# Altium PCB ZYNQ_JTY_16CH.PcbDoc (part 1 of 4) (continued)
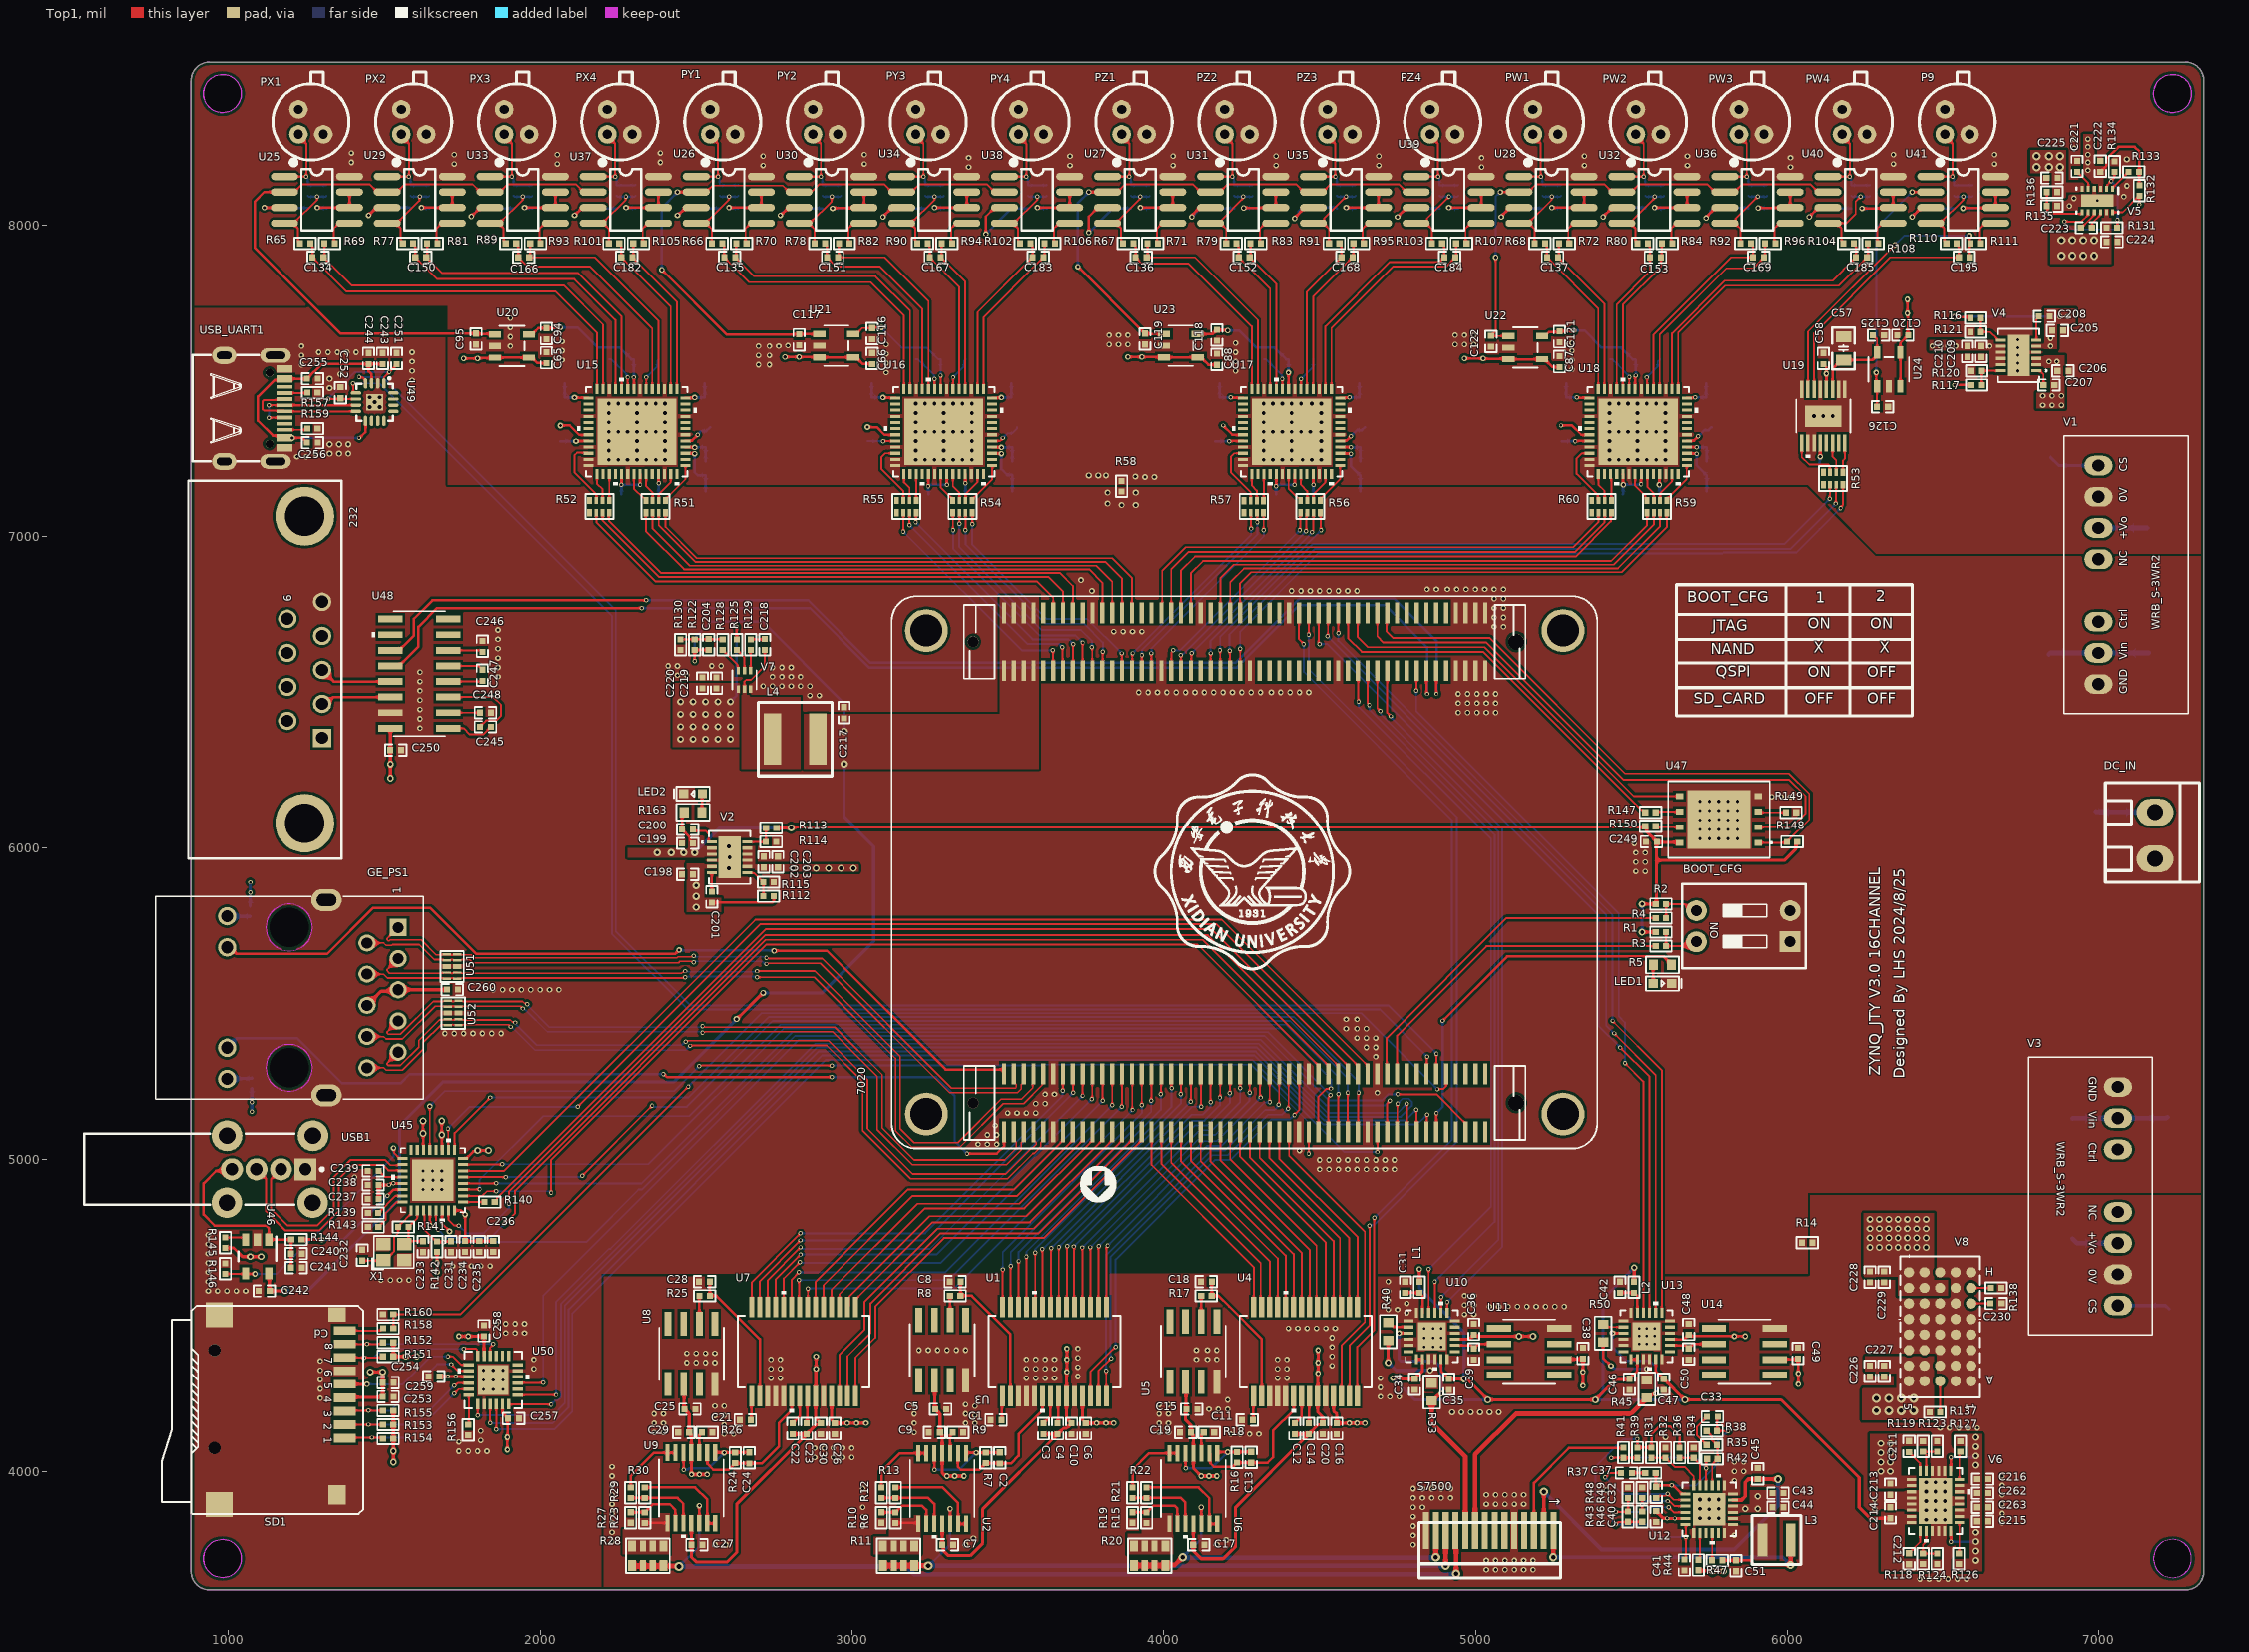
[diagram p0: Top1 view]
## Components (designator, comment, footprint, x,y, rotation, side; value= is the part's Value field where it differs from the comment) (continued)
C226 "22u" C0402_L 6265,4322.28 r270 top
C227 "104" C0402_L 6310,4322.28 r270 top
C228 "4.7u" C0402_L 6265,4625 r270 top
C229 "104" C0402_L 6310,4625 r270 top
C230 "22u" C0402_L 6670,4540 r0 top
C231 "10u" C0402_L 1715,4722.28 r90 top
C232 "18P" C0402_L 1430,4695 r270 top
C233 "18P" C0402_L 1625,4722.28 r90 top
C234 "104" C0402_L 1760,4722.72 r90 top
C235 "104" C0402_L 1805,4722.72 r90 top
C236 "104" C0402_L 1850,4722.72 r90 top
C237 "104" C0402_L 1464.87,4875 r0 top
C238 "2.2u" C0402_L 1464.87,4920 r0 top
C239 "4.7u" C0402_L 1464.87,4965 r0 top
C240 "104" C0402_L 1218.14,4700 r180 top
C241 "10u" C0402_L 1218.14,4655 r180 top
C242 "104" C0402_L 1115,4580 r0 top
C243 "104" C0402_L 1495,7570 r90 top
C244 "10u" C0402_L 1450,7570 r90 top
C245 "104" C0402_L 1825,6390 r180 top
C246 "104" C0402_L 1815,6647.72 r90 top
C247 "104" C0402_L 1815,6555 r270 top
C248 "104" C0402_L 1825,6435 r0 top
C249 "104" C0402_L 5565,6020 r0 top
C250 "104" C0402_L 1537.28,6315 r0 top
C251 "104" C0402_L 1540,7570 r270 top
C252 "104" C0402_L 1360,7460 r270 top
C253 "104" C0402_L 1513.14,4240 r0 top
C254 "10u" C0402_L 1513.14,4285 r0 top
C255 "104" C0402_L 1270,7505 r0 top
C256 "10u" C0402_L 1270,7300 r0 top
C257 "104" C0402_L 1915,4170 r0 top
C258 "104" C0402_L 1820,4452.28 r90 top
C259 "104" C0402_L 1660,4305 r180 top
C260 "104" C0402_L 1719.25,5545.31 r0 top
C261 "104" C0402_L 6990,6100 r90 bottom
C262 "3.3u" C0402_L 6627.28,3930 r180 top
C263 "3.3u" C0402_L 6627.28,3885 r180 top
DC_IN "HDR-1X2" KF128-3.81-2P 7180,6040 r270 top
E1 "47uF/16V" C_6032 7155,7145 r90 bottom
E2 "100uF/16V" C_6032 6845,7135 r270 bottom
E3 "100uF/16V" C_6032 7160,6745 r90 bottom
E4 "47uF/16V" C_6032 6840,6740 r90 bottom
E5 "47uF/16V" C_6032 6915,4630 r270 bottom
E6 "100uF/16V" C_6032 7225,4640 r90 bottom
E7 "100uF/16V" C_6032 7220,5255 r90 bottom
E8 "47uF/16V" C_6032 6915,5250 r90 bottom
E10 "10uF/16V" C_3216 7060,6050 r270 bottom
GE_PS1 "RJ45 (ATK911131A)" HR911131A 1545,5745 r270 top
L1 "120R@100MHz" FB0402 4820,4592.28 r270 top
L2 "120R@100MHz" FB0402 5509,4592.28 r270 top
L3 "1uH ±20% 2.3A XFL3012-102ME" SWPA3015 5965.28,3780 r180 top
L4 "4.7uH 4.5A" SWPA5020 2817.83,6350 r0 top
LED1 "SB色" LED0603_B 5600,5565 r0 top
LED2 "SB色" LED0603_B 2490,6175 r180 top
P9 "PD" PD 6505,8390 r90 top
PW1 "PD" PD 5185,8390 r90 top
PW2 "PD" PD 5515,8390 r90 top
PW3 "PD" PD 5845,8390 r90 top
PW4 "PD" PD 6175,8390 r90 top
PX1 "PD" PD 1225,8390 r90 top
PX2 "PD" PD 1555,8390 r90 top
PX3 "PD" PD 1885,8390 r90 top
PX4 "PD" PD 2215,8390 r90 top
PY1 "PD" PD 2545,8390 r90 top
PY2 "PD" PD 2875,8390 r90 top
PY3 "PD" PD 3205,8390 r90 top
PY4 "PD" PD 3535,8390 r90 top
PZ1 "PD" PD 3865,8390 r90 top
PZ2 "PD" PD 4195,8390 r90 top
PZ3 "PD" PD 4525,8390 r90 top
PZ4 "PD" PD 4855,8390 r90 top
R1 "1K" R0402_L 5595,5730 r180 top
R2 "1K" R0402_L 5595,5820 r180 top
R3 "20K" R0402_L 5595,5685 r180 top
R4 "20K" R0402_L 5595,5775 r180 top
R5 "510R" R0603_L 5600,5625 r180 top
R6 "200R 1%" R0402_L 3140,3851.73 r270 top
R7 "200R 1%" R0402_L 3430,4043.27 r90 top
R8 "2K 1%" R0402_L 3331.73,4565 r0 top
R9 "200R 1%" R0402_L 3340,4125 r180 top
R10 "200R 1%" R0402_L 3095,3851.99 r90 top
R11 "200R 1%" RCA-8P4R-0603 3150,3730 r0 top
R12 "200R 1%" R0402_L 3095,3931.48 r270 top
R13 "200R 1%" R0402_L 3140,3931.73 r90 top
R14 "0R" R0402_L 6063.27,4735 r180 top
R15 "200R 1%" R0402_L 3945,3851.73 r270 top
R16 "200R 1%" R0402_L 4235,4045.13 r90 top
R17 "2K 1%" R0402_L 4136.73,4565 r0 top
R18 "200R 1%" R0402_L 4145,4125 r180 top
R19 "200R 1%" R0402_L 3900,3851.99 r90 top
R20 "200R 1%" RCA-8P4R-0603 3955,3730 r0 top
R21 "200R 1%" R0402_L 3900,3931.48 r270 top
R22 "200R 1%" R0402_L 3945,3931.73 r90 top
R23 "200R 1%" R0402_L 2335,3851.73 r270 top
R24 "200R 1%" R0402_L 2625,4043.27 r90 top
R25 "2K 1%" R0402_L 2526.73,4565 r0 top
R26 "200R 1%" R0402_L 2535,4125 r180 top
R27 "200R 1%" R0402_L 2290,3851.99 r90 top
R28 "820R 1%" RCA-8P4R-0603 2345,3730 r0 top
R29 "200R 1%" R0402_L 2290,3931.48 r270 top
R30 "200R 1%" R0402_L 2335,3931.73 r90 top
R31 "20K" R0402_L 5565,4060 r270 top
R32 "20K" R0402_L 5610,4060 r270 top
R33 "2.2R" R0603_L 4860,4255 r270 top
R34 "20K" R0402_L 5700,4060 r270 top
R35 "20K" R0402_L 5758.27,4085 r0 top
R36 "20K" R0402_L 5655,4060 r270 top
R37 "100K" R0402_L 5561.73,3995 r0 top
R38 "1M" R0402_L 5758.27,4130 r180 top
R39 "18K" R0402_L 5520,4060 r270 top
R40 "2.2R" R0603_L 4720,4450 r90 top
R41 "8.2K" R0402_L 5475,4060 r270 top
R42 "82K" R0402_L 5760,4040 r0 top
R43 "200K" R0402_L 5490,3855 r270 top
R44 "10K" R0402_L 5715,3700 r90 top
R45 "2.2R" R0603_L 5550,4265 r270 top
R46 "6.8K" R0402_L 5535,3855 r270 top
R47 "50R" R0402_L 5775,3715 r180 top
R48 "43K" R0402_L 5490,3931.73 r270 top
R49 "10K" R0402_L 5535,3931.73 r270 top
R50 "2.2R" R0603_L 5410,4445 r90 top
R51 "33R" RCA-8P4R-0402 2370,7095 r180 top
R52 "33R" RCA-8P4R-0402 2190,7095 r180 top
R53 "33R" RCA-8P4R-0402 6146.5,7185.31 r180 top
R54 "33R" RCA-8P4R-0402 3355,7095 r180 top
R55 "33R" RCA-8P4R-0402 3175,7095 r180 top
R56 "33R" RCA-8P4R-0402 4470,7095 r180 top
R57 "33R" RCA-8P4R-0402 4288.5,7094.69 r180 top
R58 "0R" R0402_L 3865,7160 r270 top
R59 "33R" RCA-8P4R-0402 5582.4,7095 r180 top
R60 "33R" RCA-8P4R-0402 5405,7095 r180 top
R61 "200K 1%" R0402_L 1255,8110 r270 bottom
R62 "200K 1%" R0402_L 2575,8110 r270 bottom
R63 "200K 1%" R0402_L 3895,8110 r270 bottom
R64 "200K 1%" R0402_L 5215,8110 r270 bottom
R65 "25R 1%" R0402_L 1246.73,7940 r0 top
R66 "25R 1%" R0402_L 2566.73,7940 r0 top
R67 "25R 1%" R0402_L 3886.73,7940 r0 top
R68 "25R 1%" R0402_L 5206.73,7940 r0 top
R69 "25R 1%" R0402_L 1325,7940 r180 top
R70 "25R 1%" R0402_L 2645,7940 r180 top
R71 "25R 1%" R0402_L 3965,7940 r180 top
R72 "25R 1%" R0402_L 5285,7940 r180 top
R73 "200K 1%" R0402_L 1585,8110 r270 bottom
R74 "200K 1%" R0402_L 2905,8110 r270 bottom
R75 "200K 1%" R0402_L 4225,8110 r270 bottom
R76 "200K 1%" R0402_L 5545,8110 r270 bottom
R77 "25R 1%" R0402_L 1576.73,7940 r0 top
R78 "25R 1%" R0402_L 2896.73,7940 r0 top
R79 "25R 1%" R0402_L 4216.73,7940 r0 top
R80 "25R 1%" R0402_L 5536.73,7940 r0 top
R81 "25R 1%" R0402_L 1655,7940 r180 top
R82 "25R 1%" R0402_L 2975,7940 r180 top
R83 "25R 1%" R0402_L 4295,7940 r180 top
R84 "25R 1%" R0402_L 5615,7940 r180 top
R85 "200K 1%" R0402_L 1915,8110 r270 bottom
R86 "200K 1%" R0402_L 3235,8110 r270 bottom
R87 "200K 1%" R0402_L 4555,8110 r270 bottom
R88 "200K 1%" R0402_L 5875,8110 r270 bottom
R89 "25R 1%" R0402_L 1906.73,7940 r0 top
R90 "25R 1%" R0402_L 3226.73,7940 r0 top
R91 "25R 1%" R0402_L 4546.73,7940 r0 top
R92 "25R 1%" R0402_L 5866.73,7940 r0 top
R93 "25R 1%" R0402_L 1985,7940 r180 top
R94 "25R 1%" R0402_L 3305,7940 r180 top
R95 "25R 1%" R0402_L 4625,7940 r180 top
R96 "25R 1%" R0402_L 5945,7940 r180 top
R97 "200K 1%" R0402_L 2245,8110 r270 bottom
R98 "200K 1%" R0402_L 3565,8110 r270 bottom
R99 "200K 1%" R0402_L 4885,8110 r270 bottom
R100 "200K 1%" R0402_L 6205,8110 r270 bottom
R101 "25R 1%" R0402_L 2236.73,7940 r0 top
R102 "25R 1%" R0402_L 3556.73,7940 r0 top
R103 "25R 1%" R0402_L 4876.73,7940 r0 top
R104 "25R 1%" R0402_L 6196.73,7940 r0 top
R105 "25R 1%" R0402_L 2315,7940 r180 top
R106 "25R 1%" R0402_L 3635,7940 r180 top
R107 "25R 1%" R0402_L 4955,7940 r180 top
R108 "25R 1%" R0402_L 6275,7940 r180 top
R109 "200K 1%" R0402_L 6535,8110 r270 bottom
R110 "25R 1%" R0402_L 6526.73,7940 r0 top
R111 "25R 1%" R0402_L 6605,7940 r180 top
R112 "120K 1%" R0402_L 2732.28,5845 r0 top
R113 "422K 1%" R0402_L 2740.8,6065 r0 top
R114 "249K 1%" R0402_L 2740.55,6020 r180 top
R115 "249K 1%" R0402_L 2732.28,5890 r180 top
R116 "261K 1%" R0402_L 6604.2,7700 r180 top
R117 "422K 1%" R0402_L 6607.72,7485 r180 top
R118 "357K 1%" R0402_L 6435,3720 r270 top
R119 "619K 1%" R0402_L 6435,4080.13 r90 top
R120 "249K 1%" R0402_L 6607.72,7530 r0 top
R121 "249K 1%" R0402_L 6604.45,7655 r0 top
R122 "47K 1%" R0402_L 2495,6653.27 r270 top
R123 "200K 1%" R0402_L 6480,4079.87 r270 top
R124 "210K 1%" R0402_L 6480,3720.25 r90 top
R125 "100K" R0402_L 2630,6653.27 r270 top
R126 "1M" R0402_L 6550,3720 r270 top
R127 "1M" R0402_L 6555,4080 r90 top
R128 "40.2K 1%" R0402_L 2585,6653.27 r270 top
R129 "10R" R0402_L 2675,6653.27 r270 top
R130 "7.68K" R0402_L 2450,6653.27 r90 top
R131 "140K 1%" R0402_L 7041.73,7990 r180 top
R132 "4.7K" R0402_L 7130,8110 r90 top
R133 "10K" R0402_L 7111.73,8170 r0 top
R134 "60K 1%" R0402_L 7050,8186.73 r270 top
R135 "62K 1%" R0402_L 6850,8060 r0 top
R136 "140K 1%" R0402_L 6849.75,8105 r180 top
R137 "60.4K 1%" R0402_L 6473.27,4190 r0 top
R138 "130K 1%" R0402_L 6670,4590 r180 top
R139 "10K" R0402_L 1464.75,4830 r180 top
R140 "33R" R0402_L 1838.27,4865 r180 top
R141 "1M" R0402_L 1561.73,4785 r180 top
R142 "1.5K" R0402_L 1670,4722.16 r270 top
R143 "8K06" R0402_L 1465,4785 r0 top
R144 "1K" R0402_L 1218.27,4745 r0 top
R145 "100K" R0402_L 990,4735 r90 top
R146 "10K" R0402_L 990,4651.73 r90 top
R147 "33R" R0402_L 5561.73,6115 r180 top
R148 "4.7K" R0402_L 6015,6020 r0 top
R149 "4.7K" R0402_L 6011.73,6115 r0 top
R150 "4.7K" R0402_L 5561.73,6070 r180 top
R151 "4.7K" R0402_L 1513.01,4370 r180 top
R152 "4.7K" R0402_L 1513.01,4415 r180 top
R153 "4.7K" R0402_L 1513.01,4150 r180 top
R154 "4.7K" R0402_L 1513.01,4105 r180 top
R155 "4.7K" R0402_L 1513.01,4195 r180 top
R156 "4.7K" R0402_L 1770,4133.27 r270 top
R157 "5.1K" R0402_L 1269.87,7460 r180 top
R158 "330R" R0402_L 1513.27,4460 r0 top
R159 "5.1K" R0402_L 1269.87,7345 r180 top
R160 "10K" R0402_L 1513.01,4505 r180 top
R161 "510R" R0402_L 1070,5796.73 r90 bottom
R162 "510R" R0402_L 1075,5245 r90 bottom
R163 "510R" R0603_L 2490,6115 r0 top
S7500 "S7500" S7500-14*0.8mm 5050.51,3940.63 r0 top
SD1 "Micro SD" "Micro SD" 970.75,4504.13 r270 top
U1 "LTC1668IGTRPBF" SSOP-28_G_LIT 3650,4385 r270 top
U2 "ADA4807-4ARUZ-R7" RU-14_ADI 3290,3945 r270 top
U3 "ADR4525BRZ" R_8_ADI 3290,4390 r90 top
U4 "LTC1668IGTRPBF" SSOP-28_G_LIT 4455,4385 r270 top
U5 "ADR4525BRZ" R_8_ADI 4095,4385 r90 top
U6 "ADA4807-4ARUZ-R7" RU-14_ADI 4095,3945 r270 top
U7 "LTC1668IGTRPBF" SSOP-28_G_LIT 2845,4385 r270 top
U8 "ADR4525BRZ" R_8_ADI 2485,4378 r90 top
U9 "ADA4807-4ARUZ-R7" RU-14_ADI 2484.41,3946.7 r270 top
U10 "ADN8810ACPZ" CP_24_1_ADI 4860,4435 r0 top
U11 "ADR292ERZ" R_8_ADI 5173,4385 r180 top
U12 "ADN8834ACPZ-R2" CP_24_7_ADI 5749.53,3878.5 r0 top
U13 "ADN8810ACPZ" CP_24_1_ADI 5549,4435 r0 top
U14 "ADR292ERZ" R_8_ADI 5862,4385 r180 top
U15 "LTC2325HUKG-16PBF" UKG_52A_ADI 2310,7335 r270 top
U16 "LTC2325HUKG-16PBF" UKG_52A_ADI 3295,7335 r270 top
U17 "LTC2325HUKG-16PBF" UKG_52A_ADI 4410,7335 r270 top
U18 "LTC2325HUKG-16PBF" UKG_52A_ADI 5522.4,7335 r270 top
U19 "LTC2311HMSE-16PBF" MSE_16_ADI 6115,7385 r270 top
U20 "REF1933AIDDCT" DDC5_TEX 1910,7610 r0 top
U21 "REF1933AIDDCT" DDC5_TEX 2950,7611 r0 top
U22 "REF1933AIDDCT" DDC5_TEX 5160,7605 r0 top
U23 "REF1933AIDDCT" DDC5_TEX 4055,7611 r0 top
U24 "REF1933AIDDCT" DDC5_TEX 6325,7535 r90 top
U25 "OPA862IDR" SOIC-8 1284.49,8080 r0 top
U26 "OPA862IDR" SOIC-8 2604.49,8080 r0 top
U27 "OPA862IDR" SOIC-8 3924.49,8080 r0 top
U28 "OPA862IDR" SOIC-8 5244.49,8080 r0 top
U29 "OPA862IDR" SOIC-8 1614.49,8080 r0 top
U30 "OPA862IDR" SOIC-8 2934.49,8080 r0 top
U31 "OPA862IDR" SOIC-8 4254.49,8080 r0 top
U32 "OPA862IDR" SOIC-8 5574.49,8080 r0 top
U33 "OPA862IDR" SOIC-8 1944.49,8080 r0 top
U34 "OPA862IDR" SOIC-8 3264.49,8080 r0 top
U35 "OPA862IDR" SOIC-8 4584.49,8080 r0 top
U36 "OPA862IDR" SOIC-8 5904.49,8080 r0 top
U37 "OPA862IDR" SOIC-8 2274.49,8080 r0 top
U38 "OPA862IDR" SOIC-8 3594.49,8080 r0 top
U39 "OPA862IDR" SOIC-8 4914.49,8080 r0 top
U40 "OPA862IDR" SOIC-8 6234.49,8080 r0 top
U41 "OPA862IDR" SOIC-8 6564.49,8080 r0 top
U45 "USB3320C-EZK" QFN32_5X5MC_MCH 1656.5,4935 r180 top
U46 "TPS2051BDBVR" DBV0005A_N 1092.6,4690.87 r270 top
U47 "N25Q128A13BF840F" VDFPN8_8X6_MRN 5781,6092 r180 top
U48 "SP3232EEN-L" NSOIC-16_MXL 1613,6560 r180 top
U49 "CH343P" QFN16_3X3 1469.84,7429.91 r180 top
U50 "TXS02612RTWR" RTW24_2P45X2P45 1850,4294 r90 top
U51 "AZ1143-04F" DFN2510P10E 1700.75,5659.37 r0 top
U52 "AZ1143-04F" DFN2510P10E 1704.25,5509.68 r0 top
USB1 "USB" USB2.0_Type-A_DIP_F_3 516.77,4970 r180 top
USB_UART1 "USB TypeC" "USB Type-C" 1083.38,7410 r270 top
V1 "WRB1205S-3WR2" WRB_S-3WR2 6998.74,6876.62 r90 top
V2 "LT3024EDEPBF" DFN-12_DE_LIT 2607.28,5970 r0 top
V3 "WRB1209S-3WR2" WRB_S-3WR2 7061.26,4883.38 r270 top
V4 "LT3024EDEPBF" DFN-12_DE_LIT 6742.72,7580 r180 top
V5 "LM27762DSSR" DSS0012B 6995.47,8077.4 r270 top
V6 "LT3030HUFDPBF" QFN-28_UFD_LIT 6475,3905 r0 top
V7 "MP1476LGTF-P" SOT563_MP1476L_MNP 2655,6540 r90 top
V8 "LTM8045IYPBF" BGA-40_11P25X6P25_LIT 6490,4465 r180 top
X1 "24M" XTAL-2025-4P 1531.54,4704.41 r0 top

## Footprints (in the part's own frame and the unit in brackets; to place one, negate y for a bottom-side part, rotate by r counter-clockwise, add the part's x,y. Pads: shape width x height; smd on the part's side, far side on the other; paste and mask are expansions set on the pad)
BGA-40_11P25X6P25_LIT [mil]
  round 33 smd paste+0 mask+0: A1(-100,175) A2(-50,175) A3(0,175) A4(50,175) A5(100,175) B1(-100,125) B2(-50,125) B3(0,125) B4(50,125) B5(100,125) C1(-100,75) C2(-50,75) C3(0,75) C4(50,75) C5(100,75) D1(-100,25) D2(-50,25) D3(0,25) D4(50,25) D5(100,25) E1(-100,-25) E2(-50,-25) E3(0,-25) E4(50,-25) E5(100,-25) F1(-100,-75) F2(-50,-75) F3(0,-75) F4(50,-75) F5(100,-75) G1(-100,-125) G2(-50,-125) G3(0,-125) G4(50,-125) G5(100,-125) H1(-100,-175) H2(-50,-175) H3(0,-175) H4(50,-175) H5(100,-175)
  silkscreen extent -133,-232 133,231, body extent -123,-221 123,221, height 202
C0402_L [mm] "贴片MLCC电容"
  rect 0.5x0.5 smd: 1(-0.45,0) 2(0.45,0)
  silkscreen extent -0.87,-0.46 0.88,0.46, body extent -0.5,-0.25 0.5,0.25, height 0.5
C0805_L [mil] "贴片MLCC电容"
  rect 35x50 smd: 1(-37.4,0) 2(37.4,0)
  silkscreen extent -67,-36 67,36, body extent -39,-26 39,26, height 51
C_3216 [mm] "长3.2mm，宽1.6mm，厚1.6mm"
  rect 1.2x1.4 smd: 1(-1.7,0) 2(1.7,0)
  silkscreen extent -2.74,-1.02 2.67,1.02, body extent -1.6,-0.8 1.6,0.8, height 1.63
C_6032 [mm] "长6.0mm，宽3.2mm，厚2.5mm"
  rect 2.2x2.2 smd: 1(-3,0) 2(3,0)
  silkscreen extent -4.7,-1.78 4.44,1.78, body extent -3,-1.6 3,1.6, height 2.53
CP_24_1_ADI [mil]
  rect 32x10 smd paste+0 mask+0: 1(-74.5,49.21) 2(-74.5,29.53) 3(-74.5,9.84) 4(-74.5,-9.84) 5(-74.5,-29.53) 6(-74.5,-49.21) 13(74.5,-49.21) 14(74.5,-29.53) 15(74.5,-9.84) 16(74.5,9.84) 17(74.5,29.53) 18(74.5,49.21)
  rect 10x32 smd paste+0 mask+0: 7(-49.21,-74.5) 8(-29.53,-74.5) 9(-9.84,-74.5) 10(9.84,-74.5) 11(29.53,-74.5) 12(49.21,-74.5) 19(49.21,74.5) 20(29.53,74.5) 21(9.84,74.5) 22(-9.84,74.5) 23(-29.53,74.5) 24(-49.21,74.5)
  rect 89x89 smd paste+0 mask+0: 25(0,0)
  silkscreen extent -83,-110 84,110, body extent -79,-79 79,79, height 39
CP_24_7_ADI [mil]
  rect 32x10 smd paste+0 mask+0: 1(-76.5,49.21) 2(-76.5,29.53) 3(-76.5,9.84) 4(-76.5,-9.84) 5(-76.5,-29.53) 6(-76.5,-49.21) 13(76.5,-49.21) 14(76.5,-29.53) 15(76.5,-9.84) 16(76.5,9.84) 17(76.5,29.53) 18(76.5,49.21)
  rect 10x32 smd paste+0 mask+0: 7(-49.21,-76.5) 8(-29.53,-76.5) 9(-9.84,-76.5) 10(9.84,-76.5) 11(29.53,-76.5) 12(49.21,-76.5) 19(49.21,76.5) 20(29.53,76.5) 21(9.84,76.5) 22(-9.84,76.5) 23(-29.53,76.5) 24(-49.21,76.5)
  rect 104x104 smd paste-52 mask+0: 25(0,0)
  silkscreen extent -86,-112 86,112, body extent -81,-81 81,81, height 32
DB-9-H [mm] "9 pins, right angled, 8.08mm, with hex screw"
  rect 1.5x1.5 hole 1: 1(5.54,4.67)
  round 1.5 hole 1: 2(2.77,4.67) 3(0,4.67) 4(-2.77,4.67) 5(-5.54,4.67) 6(4.155,1.83) 7(1.385,1.83) 8(-1.385,1.83) 9(-4.155,1.83)
  round 4.8 hole 3.2: M1(-12.5,3.25) M2(12.5,3.25)
  silkscreen extent -15.4,-6.25 15.4,6.25, body extent -15.58,-12.8 15.32,5.7, height 12.65
DBV0005A_N [mm]
  rect 1x0.6 smd paste+0 mask+0.051: 1(-1.375,0.95) 2(-1.375,0) 3(-1.375,-0.95) 4(1.375,-0.95) 5(1.375,0.95)
  silkscreen extent -1.63,-1.55 0.38,1.55
DDC5_TEX [mil]
  rect 39.5x20 smd paste+0 mask+0: 1(-54.25,37.4) 2(-54.25,0) 3(-54.25,-37.4) 4(54.25,-37.4) 5(54.25,37.4)
  silkscreen extent -40,-65 40,65, body extent -60,-60 60,60, height 43
DFN2510P10E [mm]
  rect 0.68x0.2 smd: 1(0,0) 2(0,-0.5) 4(0,-1.5) 5(0,-2) 6(0.87,-2) 7(0.87,-1.5) 9(0.87,-0.5) 10(0.87,0)
  rect 0.68x0.4 smd: 3(0,-1) 8(0.87,-1)
  silkscreen extent -0.51,-2.29 1.4,0.25
DFN-12_DE_LIT [mil]
  rect 32x10 smd paste+0 mask+0: 1(-57,49.21) 2(-57,29.53) 3(-57,9.84) 4(-57,-9.84) 5(-57,-29.53) 6(-57,-49.21) 7(57,-49.21) 8(57,-29.53) 9(57,-9.84) 10(57,9.84) 11(57,29.53) 12(57,49.21)
  rect 71x134 smd paste+0 mask+0: 13(0,0)
  silkscreen extent -90,-86 66,86, body extent -61,-81 61,81, height 32
DSS0012B [mm]
  rect 0.5x0.25 smd paste+0 mask+0.051: 1(-0.95,1.25) 2(-0.95,0.75) 3(-0.95,0.25) 4(-0.95,-0.25) 5(-0.95,-0.75) 6(-0.95,-1.25) 7(0.95,-1.25) 8(0.95,-0.75) 9(0.95,-0.25) 10(0.95,0.25) 11(0.95,0.75) 12(0.95,1.25)
  round 0.5 / inner round 1.524 / far side round 0.5 hole 0.203 paste-0.25 mask+0.051: 13(0,0)
  rect 1x2.65 smd paste-0.5 mask+0.051: 13(0,0)
  silkscreen extent -1.05,-1.7 1.05,1.7
FB0402 [mm] "0402贴片磁珠"
  rect 0.5x0.5 smd: 1(-0.45,0) 2(0.45,0)
  silkscreen extent -0.87,-0.46 0.88,0.46, body extent -0.51,-0.26 0.51,0.26, height 0.52
HR911131A [mm]
  rect 1.4x1.4 hole 0.9 mask+0.05: 1(0,0)
  round 1.4 hole 0.9 mask+0.05: 2(1.27,-2.54) 3(2.54,0) 4(3.81,-2.54) 5(5.08,0) 6(6.35,-2.54) 7(7.62,0) 8(8.89,-2.54) 9(10.16,0) 10(11.43,-2.54)
  round 1.5 hole 1 mask+0.05: 11(-0.915,-13.95) 12(1.625,-13.95) 13(9.805,-13.95) 14(12.345,-13.95)
  oval 1.8x2.5 hole 1 slot 1.6 at 90 deg mask+0.05: 15(13.665,-5.84) 16(-2.235,-5.84)
  round 1 hole 3.2 unplated mask+0.1: 17(0,-8.89) 18(11.43,-8.89)
  Multi-Layer keep-out circle w0.01: c0,-8.89 r1.9
  Multi-Layer keep-out circle w0.01: c11.43,-8.89 r1.9
  silkscreen extent -2.54,-19.79 13.97,2.05, body extent -2.54,-19.79 13.97,2.05, height 17
KF128-3.81-2P [mm] "螺钉式接线端子，脚距3.81mm"
  oval 2.2x3 hole 1.3: 1(-1.905,0) 2(1.905,0)
  silkscreen extent -4.32,-4.04 3.81,3.63, body extent -4.31,-3.9 3.81,3.5, height 8.55
LED0603_B [mil] "蓝色0603LED"
  rect 30x30 smd: 1(-30,0) 2(30,0)
  silkscreen extent -53,-23 61,23, body extent -31,-16 32,16, height 18
"Micro SD" [mm]
  rect 2.032x2.2 smd: 0(0,0) 0(15.5,0)
  rect 1.2x1.4 smd: 0(0,9.6)
  round 1 hole 1 unplated: 0(2.9,-0.4) 0(10.9,-0.4)
  rect 1.6x1.4 smd: 0(14.7,9.6)
  rect 0.7x1.8 smd: 1(10.1,10.227) 2(9,10.227) 3(7.9,10.227) 4(6.8,10.227) 5(5.7,10.227) 6(4.6,10.227) 7(3.5,10.227) 8(2.4,10.227) 9(1.3,10.227)
  silkscreen extent -0.72,-4.68 16.27,11.75, body extent -0.27,-4.63 16,10.57, height 1.8
MSE_16_ADI [mil]
  rect 55x11 smd paste+0 mask+0: 1(-86,68.9) 2(-86,49.21) 3(-86,29.53) 4(-86,9.84) 5(-86,-9.84) 6(-86,-29.53) 7(-86,-49.21) 8(-86,-68.9) 9(86,-68.9) 10(86,-49.21) 11(86,-29.53) 12(86,-9.84) 13(86,9.84) 14(86,29.53) 15(86,49.21) 16(86,68.9)
  rect 69x116 smd paste-57.5 mask+0: 17(0,0)
  silkscreen extent -53,-87 134,87, body extent -99,-81 99,81, height 43
NSOIC-16_MXL [mil]
  rect 78x22 smd paste+0 mask+0: 1(-93,175) 2(-93,125) 3(-93,75) 4(-93,25) 5(-93,-25) 6(-93,-75) 7(-93,-125) 8(-93,-175) 9(93,-175) 10(93,-125) 11(93,-75) 12(93,-25) 13(93,25) 14(93,75) 15(93,125) 16(93,175)
  silkscreen extent -82,-200 152,200, body extent -118,-195 118,195, height 69
PD [mil]
  round 60 hole 30: 1(-100,-80) 2(-100,0) 3(-20,0)
  silkscreen extent -182,-162 100,82
QFN16_3X3 [mm]
  round 0.508 hole 0.356: 0(0,0)
  rect 1.35x1.35 smd mask+0.051: 0(0,0)
  oval 0.28x0.85 smd mask+0.051: 1(-0.75,-1.526) 2(-0.25,-1.526) 3(0.25,-1.526) 4(0.75,-1.526) 9(0.75,1.526) 10(0.25,1.526) 11(-0.25,1.526) 12(-0.75,1.526)
  oval 0.85x0.28 smd mask+0.051: 5(1.526,-0.75) 6(1.526,-0.25) 7(1.526,0.25) 8(1.526,0.75) 13(-1.526,0.75) 14(-1.526,0.25) 15(-1.526,-0.25) 16(-1.526,-0.75)
  silkscreen extent -1.5,-2.02 1.5,1.5, body extent -1.52,-1.52 1.52,1.52, height 0.25
QFN32_5X5MC_MCH [mil]
  rect 32x10 smd paste+0 mask+0: 1(-96.5,70) 2(-96.5,50) 3(-96.5,30) 4(-96.5,10) 5(-96.5,-10) 6(-96.5,-30) 7(-96.5,-50) 8(-96.5,-70) 17(96.5,-70) 18(96.5,-50) 19(96.5,-30) 20(96.5,-10) 21(96.5,10) 22(96.5,30) 23(96.5,50) 24(96.5,70)
  rect 10x32 smd paste+0 mask+0: 9(-70,-96.5) 10(-50,-96.5) 11(-30,-96.5) 12(-10,-96.5) 13(10,-96.5) 14(30,-96.5) 15(50,-96.5) 16(70,-96.5) 25(70,96.5) 26(50,96.5) 27(30,96.5) 28(10,96.5) 29(-10,96.5) 30(-30,96.5) 31(-50,96.5) 32(-70,96.5)
  rect 134x134 smd paste-66.5 mask-66.5: 33(0,0)
  silkscreen extent -103,-132 132,132, body extent -101,-101 101,101, height 65
QFN-28_UFD_LIT [mm]
  rect 0.805x0.249 smd paste+0 mask+0: 1(-1.952,1.75) 2(-1.952,1.25) 3(-1.952,0.75) 4(-1.952,0.25) 5(-1.952,-0.25) 6(-1.952,-0.75) 7(-1.952,-1.25) 8(-1.952,-1.75) 15(1.952,-1.75) 16(1.952,-1.25) 17(1.952,-0.75) 18(1.952,-0.25) 19(1.952,0.25) 20(1.952,0.75) 21(1.952,1.25) 22(1.952,1.75)
  rect 0.249x0.805 smd paste+0 mask+0: 9(-1.25,-2.452) 10(-0.75,-2.452) 11(-0.25,-2.452) 12(0.25,-2.452) 13(0.75,-2.452) 14(1.25,-2.452) 23(1.25,2.452) 24(0.75,2.452) 25(0.25,2.452) 26(-0.25,2.452) 27(-0.75,2.452) 28(-1.25,2.452)
  rect 2.75x3.75 smd paste-1.375 mask+0: 29(0,0)
  silkscreen extent -2.18,-3.36 2.86,2.68, body extent -2.05,-2.55 2.05,2.55, height 0.8
R0402_L [mm] "1/16W贴片电阻"
  rect 0.5x0.5 smd: 1(-0.425,0) 2(0.425,0)
  silkscreen extent -0.88,-0.46 0.87,0.46, body extent -0.5,-0.25 0.5,0.25, height 0.3
R0603_L [mm] "1/10W贴片电阻"
  rect 0.75x0.85 smd: 1(-0.725,0) 2(0.725,0)
  silkscreen extent -1.35,-0.69 1.35,0.69, body extent -0.8,-0.4 0.8,0.4, height 0.4
R_8_ADI [mil]
  rect 78x22 smd paste+0 mask+0: 1(-97,75) 2(-97,25) 3(-97,-25) 4(-97,-75) 5(97,-75) 6(97,-25) 7(97,25) 8(97,75)
  silkscreen extent -84,-104 84,104, body extent -122,-99 122,99, height 69
RCA-8P4R-0402 [mm] "2mm*1mm*0.45mm(长*宽*厚)           联系卖家 免费查找封装"
  rect 0.4x0.6 smd: 1(-0.8,-0.5) 4(0.8,-0.5) 5(0.8,0.5) 8(-0.8,0.5)
  rect 0.3x0.6 smd: 2(-0.25,-0.5) 3(0.25,-0.5) 6(0.25,0.5) 7(-0.25,0.5)
  silkscreen extent -1.14,-1.02 1.15,1.01, body extent -1,-0.5 1,0.5, height 0.45
RCA-8P4R-0603 [mm] "3.2mm*1.6mm*0.6mm(长*宽*厚)            联系卖家 免费查找封装"
  rect 0.65x0.9 smd: 1(-1.28,-0.8) 4(1.28,-0.8) 5(1.28,0.8) 8(-1.28,0.8)
  rect 0.5x0.9 smd: 2(-0.4,-0.8) 3(0.4,-0.8) 6(0.4,0.8) 7(-0.4,0.8)
  silkscreen extent -1.78,-1.4 1.78,1.4, body extent -1.6,-0.8 1.6,0.8, height 0.6
RTW24_2P45X2P45 [mm]
  rect 0.85x0.28 smd paste-0.14 mask-0.419: 1(-1.975,1.25) 2(-1.975,0.75) 3(-1.975,0.25) 4(-1.975,-0.25) 5(-1.975,-0.75) 6(-1.975,-1.25) 13(1.975,-1.25) 14(1.975,-0.75) 15(1.975,-0.25) 16(1.975,0.25) 17(1.975,0.75) 18(1.975,1.25)
  rect 0.28x0.85 smd paste-0.14 mask-0.419: 7(-1.25,-1.975) 8(-0.75,-1.975) 9(-0.25,-1.975) 10(0.25,-1.975) 11(0.75,-1.975) 12(1.25,-1.975) 19(1.25,1.975) 20(0.75,1.975) 21(0.25,1.975) 22(-0.25,1.975) 23(-0.75,1.975) 24(-1.25,1.975)
  round 0.508 / inner round 1.524 / far side round 0.508 hole 0.254 paste-0.254 mask-0.254: 25(-0.787,0.787) 25(-0.787,0) 25(-0.787,-0.787) 25(0,0.787) 25(0,0) 25(0,-0.787) 25(0.787,0) 25(0.787,-0.787) 25(0.787,0.787)
  rect 2.45x2.45 smd paste-1.212 mask-1.206: 25(0,0)
  silkscreen extent -2.33,-2.91 2.33,2.91, body extent -2.13,-2.13 2.13,2.13, height 0.74
RU-14_ADI [mm]
  rect 1.356x0.351 smd paste+0 mask+0: 1(-2.878,1.95) 2(-2.878,1.3) 3(-2.878,0.65) 4(-2.878,0) 5(-2.878,-0.65) 6(-2.878,-1.3) 7(-2.878,-1.95) 8(2.878,-1.95) 9(2.878,-1.3) 10(2.878,-0.65) 11(2.878,0) 12(2.878,0.65) 13(2.878,1.3) 14(2.878,1.95)
  silkscreen extent -2.33,-2.63 4.06,2.63, body extent -3.2,-2.5 3.2,2.5, height 1.2
S7500-14*0.8mm [mm]
  rect 0.5x3 smd: 1(5.092,-3.318) 2(4.292,-3.318) 3(3.492,-3.318) 4(2.692,-3.318) 5(1.892,-3.318) 6(1.092,-3.318) 7(0.292,-3.318) 8(-0.508,-3.318) 9(-1.308,-3.318) 10(-2.108,-3.318) 11(-2.908,-3.318) 12(-3.708,-3.318) 13(-4.508,-3.318) 14(-5.308,-3.318)
  silkscreen extent -5.88,-7.16 5.66,-2.66
SOIC-8 [mm]
  oval 2.2x0.6 smd: 1(-2.654,1.905) 2(-2.654,0.635) 3(-2.654,-0.635) 4(-2.654,-1.905) 5(2.654,-1.905) 6(2.654,-0.635) 7(2.654,0.635) 8(2.654,1.905)
  silkscreen extent -2.06,-2.5 1.27,3.2, body extent -3,-2.5 3,2.5, height 1.9
SOT563_MP1476L_MNP [mil]
  rect 24x11 smd paste+0 mask+0: 1(-29.5,19.69) 2(-29.5,0) 3(-29.5,-19.68) 4(29.5,-19.68) 5(29.5,0) 6(29.5,19.69)
  silkscreen extent -31,-38 31,39, body extent -34,-34 34,34, height 22
SSOP-28_G_LIT [mil]
  rect 65x17 smd paste+0 mask+0: 1(-143,166.4) 2(-143,140.8) 3(-143,115.2) 4(-143,89.6) 5(-143,64) 6(-143,38.4) 7(-143,12.8) 8(-143,-12.8) 9(-143,-38.4) 10(-143,-64) 11(-143,-89.6) 12(-143,-115.2) 13(-143,-140.8) 14(-143,-166.4) 15(143,-166.4) 16(143,-140.8) 17(143,-115.2) 18(143,-89.6) 19(143,-64) 20(143,-38.4) 21(143,-12.8) 22(143,12.8) 23(143,38.4) 24(143,64) 25(143,89.6) 26(143,115.2) 27(143,140.8) 28(143,166.4)
  silkscreen extent -196,-212 196,212, body extent -161,-206 161,206, height 67
"SW DIP-2P" [mm] "6.6*9.9*7mm"
  rect 1.7x1.7 hole 0.9: 1(-1.27,-3.81)
  round 1.7 hole 0.9: 2(1.27,-3.81) 3(1.27,3.81) 4(-1.27,3.81)
  silkscreen extent -3.43,-5.08 3.43,4.95, body extent -3.32,-4.95 3.32,4.95, height 6.65
SWPA3015 [mm] "轮廓3mm*3mm ，焊盘间距1.5mm          淘宝ID:黄晶宝石"
  rect 0.8x2.7 smd: 1(-1.15,0) 2(1.15,0)
  silkscreen extent -2,-2 2,2, body extent -1.5,-1.5 1.5,1.5, height 1.5
SWPA5020 [mm] "轮廓5mm*5mm ，焊盘间距2.3mm          淘宝ID:黄晶宝石"
  rect 1.4x4.2 smd: 1(-1.85,0) 2(1.85,0)
  silkscreen extent -3,-3 3,3, body extent -2.5,-2.5 2.5,2.5, height 2
UKG_52A_ADI [mil]
  rect 32x10 smd paste+0 mask+0: 1(-136,127.95) 2(-136,108.27) 3(-136,88.58) 4(-136,68.9) 5(-136,49.21) 6(-136,29.53) 7(-136,9.84) 8(-136,-9.84) 9(-136,-29.53) 10(-136,-49.21) 11(-136,-68.9) 12(-136,-88.58) 13(-136,-108.27) 14(-136,-127.95) 27(136,-127.95) 28(136,-108.27) 29(136,-88.58) 30(136,-68.9) 31(136,-49.21) 32(136,-29.53) 33(136,-9.84) 34(136,9.84) 35(136,29.53) 36(136,49.21) 37(136,68.9) 38(136,88.58) 39(136,108.27) 40(136,127.95)
  rect 10x32 smd paste+0 mask+0: 15(-108.27,-155.5) 16(-88.58,-155.5) 17(-68.9,-155.5) 18(-49.21,-155.5) 19(-29.53,-155.5) 20(-9.84,-155.5) 21(9.84,-155.5) 22(29.53,-155.5) 23(49.21,-155.5) 24(68.9,-155.5) 25(88.58,-155.5) 26(108.27,-155.5) 41(108.27,155.5) 42(88.58,155.5) 43(68.9,155.5) 44(49.21,155.5) 45(29.53,155.5) 46(9.84,155.5) 47(-9.84,155.5) 48(-29.53,155.5) 49(-49.21,155.5) 50(-68.9,155.5) 51(-88.58,155.5) 52(-108.27,155.5)
  rect 213x254 smd paste-106.5 mask+0: 53(0,0)
  silkscreen extent -172,-192 172,192, body extent -140,-159 140,159, height 32
USB2.0_Type-A_DIP_F_3 [mm] "USB2.0_Type-A直插立式母座"
  rect 1.8x1.8 hole 1: 1(-18.56,0)
  round 1.8 hole 1: 2(-16.56,0) 3(-14.56,0) 4(-12.56,0)
  round 2.5 hole 1.35: G(-19.167,-2.718) G(-19.141,2.718) G(-12.167,-2.718) G(-12.141,2.718)
  silkscreen extent -20.04,-2.88 -0.51,2.88, body extent -19.72,-3.61 -0.47,3.64, height 14.45
"USB Type-C" [mm]
  rect 0.6x1.3 smd mask+0.064: 1(-3.2,2.462) 2(-2.4,2.462) 11(2.4,2.462) 12(3.2,2.462)
  rect 0.3x1.3 smd mask+0.064: 3(-1.75,2.462) 4(-1.25,2.462) 5(-0.75,2.462) 6(-0.25,2.463) 7(0.25,2.463) 8(0.75,2.462) 9(1.25,2.462) 10(1.75,2.462)
  oval 1.2x2.5 hole 0.6 slot 1.6 at 90 deg: SH1(-4.32,1.718) SH3(4.32,1.717)
  oval 1.4x2 hole 0.6 slot 1.2 at 90 deg: SH2(-4.32,-2.462) SH4(4.32,-2.462)
  round 0.65 hole 0.65 unplated mask+0: ""(-2.89,1.218) ""(2.89,1.218)
  silkscreen extent -4.34,-5.07 4.32,0.37, body extent -4.47,-5.04 4.47,2.86, height 3.2
VDFPN8_8X6_MRN [mil]
  rect 24x19 smd paste+0 mask+0: 1(-126,75) 2(-126,25) 3(-126,-25) 4(-126,-75) 5(126,-75) 6(126,-25) 7(126,25) 8(126,75)
  rect 203x189 smd paste+0 mask+0: 9(0,0)
  silkscreen extent -170,-123 163,123, body extent -157,-118 157,118, height 39
WRB_S-3WR2 [mm]
  oval 1.6x2.3 hole 1: 1(-8.89,0) 2(-6.35,0) 3(-3.81,0) 5(1.27,0) 6(3.81,0) 7(6.35,0) 8(8.89,0)
  silkscreen extent -11.3,-7.3 11.3,2.8
XTAL-2025-4P [mm] "2*2.5*0.55mm(长宽高)"
  rect 1.2x1 smd: 1(-0.85,-0.65) 2(0.85,-0.65) 3(0.85,0.65) 4(-0.85,0.65)
  silkscreen extent -1.75,-1.4 1.63,1.32, body extent -1.25,-1 1.25,1, height 0.55